# KiCad board hat_stern_de_sys11.kicad_pcb
title: afterglow 3.0 Pinbender Hat; date: 2024; rev: 1.1; company: bitfield labs
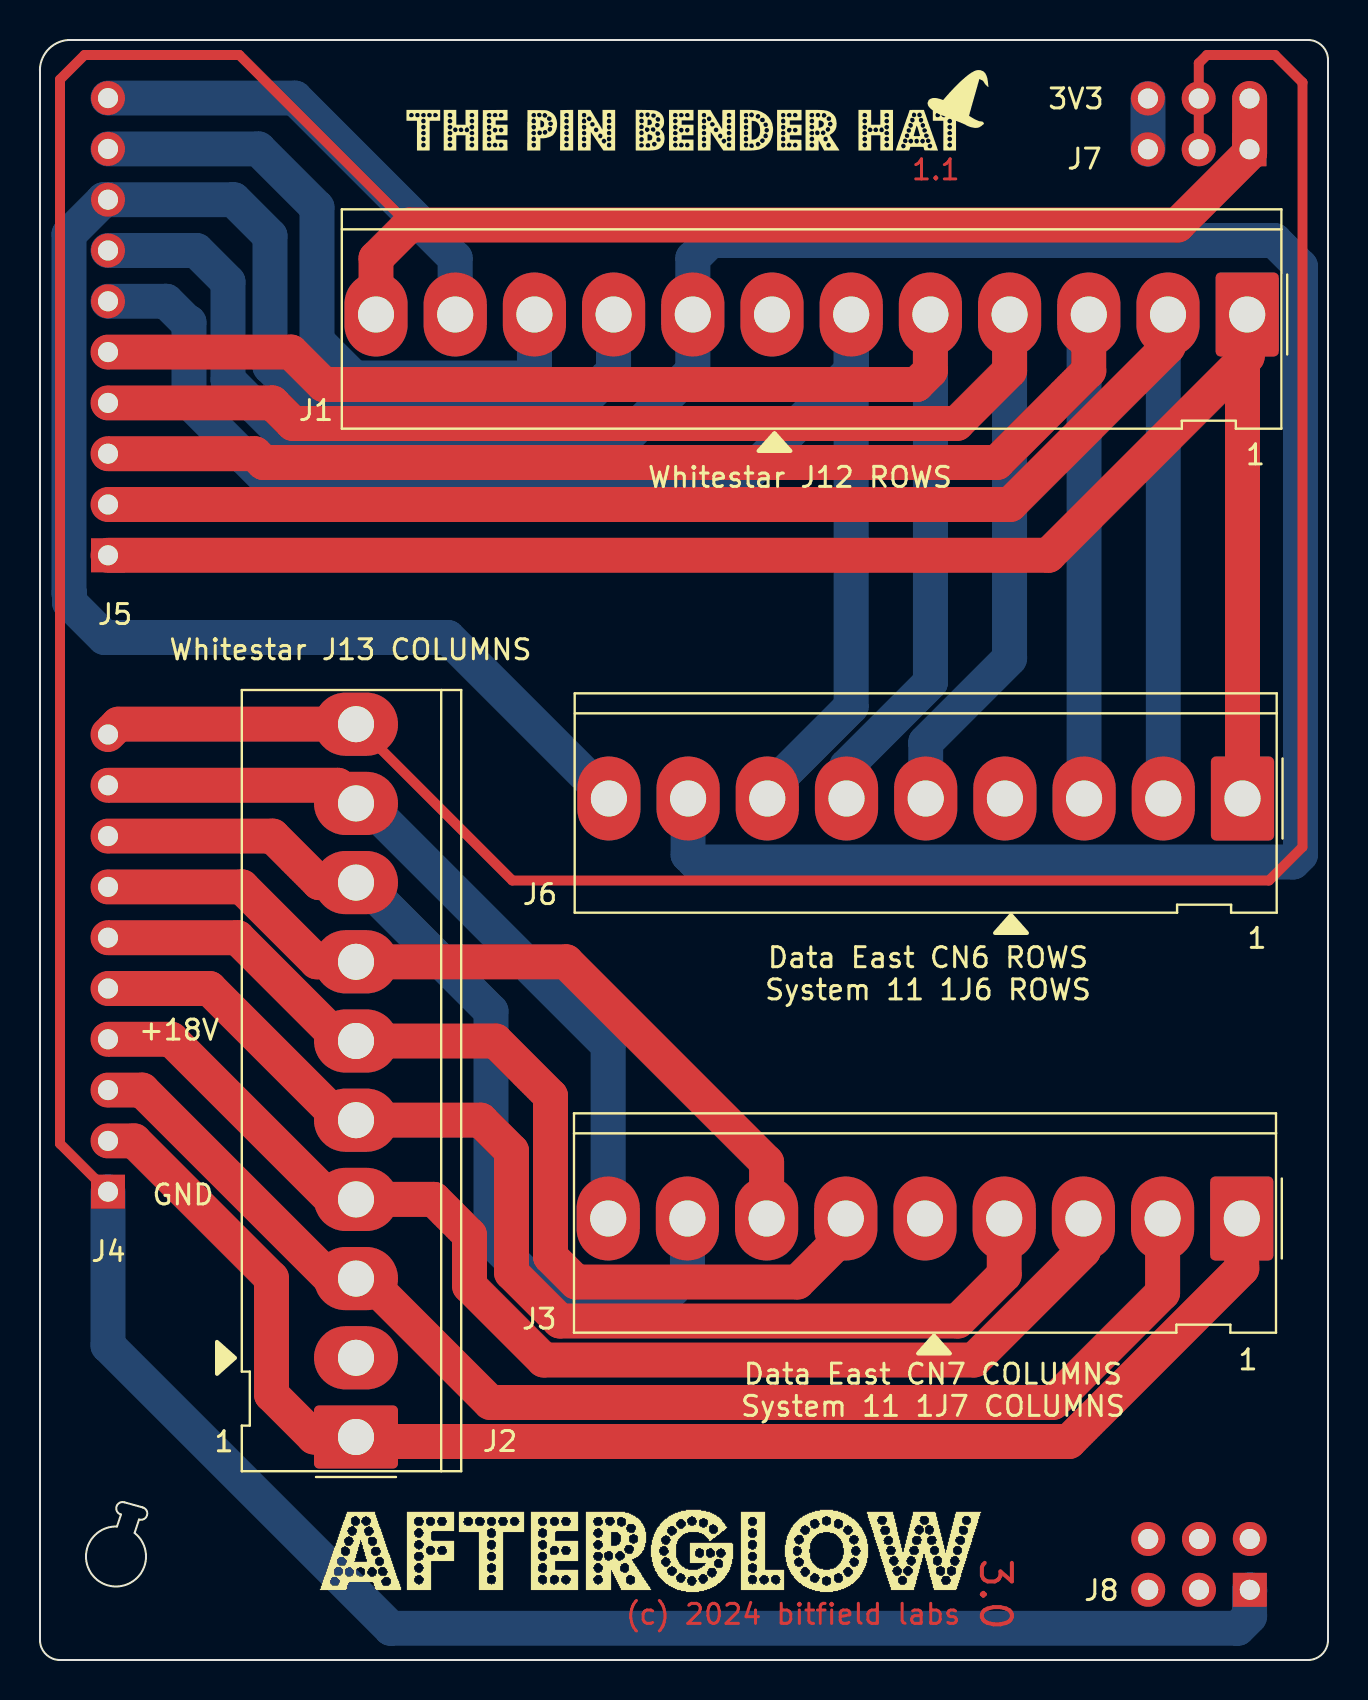
[diagram p0: board, top side]
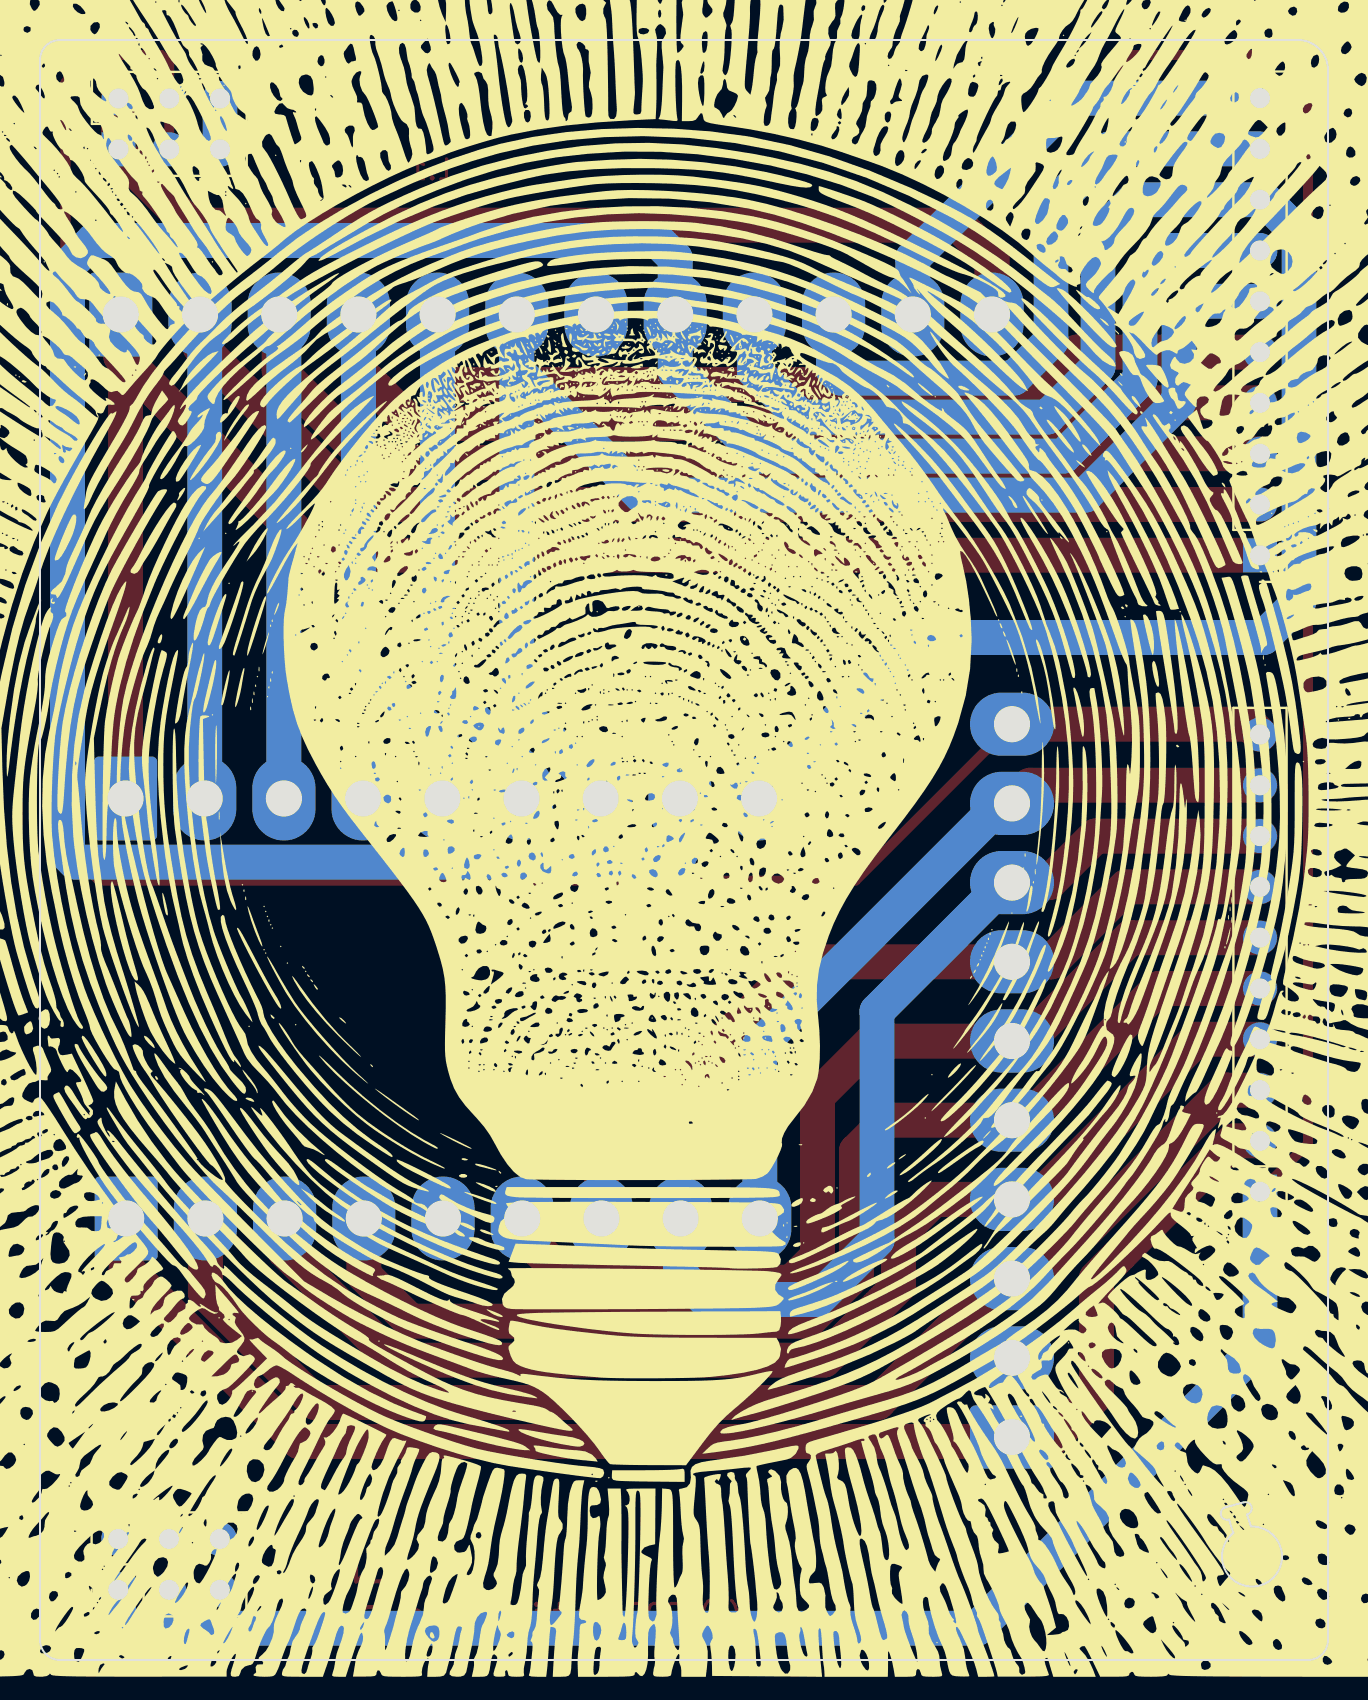
[diagram p1: board, bottom side, seen from below]

Outline 64.4 x 81 mm; copper layers: Top, Bottom. Coordinates in mm from the lower left corner of the outline.
Outline path: 4.95,7.03 4.73,6.35 arc(3.28,3.77) 3.85,6.68 4.05,7.28 arc(3.82,7.67) 4.23,7.88 5.13,7.63 arc(5.35,7.24) 4.95,7.03 ; 0,79.37 arc(0.37,80.48) 1.41,81 63.4,81 arc(64.11,80.71) 64.4,80 64.4,1 arc(64.11,0.29) 63.4,0 1,0 arc(0.29,0.29) 0,1 0,79.37
Stack: Top 0.035mm / dielectric 1.51mm FR4 er 4.5 / Bottom 0.035mm

## Placement (name value [footprint] x y rotation side)
afterglow  -  [afterglow]  14 7.5 0 top
G***  LOGO  [pin_bender_hat]  32.33 76.5 0 top
G***#2  LOGO  [hat]  46.18 78.31 338 top
G***#3  LOGO  [radiate]  35 41.8 180 bottom
J1  ROW OUT  [Molex_KK-396_5273-12A_1x12_P3.96mm_Vertical]  60.36 67.28 180 top
J2  COLUMN OUT  [Molex_KK-396_5273-10A_1x10_P3.96mm_Vertical]  15.8 11.15 90 top
J3  Conn_01x09_Pin  [Molex_KK-396_5273-09A_1x09_P3.96mm_Vertical]  60.09 22.08 180 top
J4  Conn_01x10_Pin  [PinHeader_1x10_P2.54mm_Vertical]  3.4 23.42 0 bottom
J5  Conn_01x10_Pin  [PinHeader_1x10_P2.54mm_Vertical]  3.4 55.24 0 bottom
J6  Conn_01x09_Pin  [Molex_KK-396_5273-09A_1x09_P3.96mm_Vertical]  60.12 43.08 180 top
J7  Conn_02x03_Odd_Even  [PinHeader_2x03_P2.54mm_Vertical]  60.47 75.54 90 bottom
J8  Conn_02x03_Odd_Even  [PinHeader_2x03_P2.54mm_Vertical]  60.49 3.51 90 bottom

## Library data of the parts
J1 = -: JLCPCB: C10589; ki_fp_filters: Connector*:*_1x??_*
J2 = -: JLCPCB: C10587; ki_fp_filters: Connector*:*_1x??_*
J3 J6 = -: Description: Generic connector, single row, 01x09, script generated; JLCPCB: C10586; ki_fp_filters: Connector*:*_1x??_*
J4 J5 = -: JLCPCB: C5156617; ki_fp_filters: Connector*:*_1x??_*
J7 J8 = -: JLCPCB: C18905882; ki_fp_filters: Connector*:*_2x??_*

## Footprints (pads in the part's own frame, mm; a bottom-side part is the same pattern mirrored in y, then rotated)
Molex_KK-396_5273-09A_1x09_P3.96mm_Vertical
  rrect 3.16x4.2 hole 1.8: 1(0,0)
  oval 3.16x4.2 hole 1.8: 2(3.96,0) 3(7.92,0) 4(11.88,0) 5(15.84,0) 6(19.8,0) 7(23.76,0) 8(27.72,0) 9(31.68,0)
Molex_KK-396_5273-10A_1x10_P3.96mm_Vertical
  rrect 3.16x4.2 hole 1.8: 1(0,0)
  oval 3.16x4.2 hole 1.8: 2(3.96,0) 3(7.92,0) 4(11.88,0) 5(15.84,0) 6(19.8,0) 7(23.76,0) 8(27.72,0) 9(31.68,0) 10(35.64,0)
Molex_KK-396_5273-12A_1x12_P3.96mm_Vertical
  rrect 3.16x4.2 hole 1.8: 1(0,0)
  oval 3.16x4.2 hole 1.8: 2(3.96,0) 3(7.92,0) 4(11.88,0) 5(15.84,0) 6(19.8,0) 7(23.76,0) 8(27.72,0) 9(31.68,0) 10(35.64,0) 11(39.6,0) 12(43.56,0)
PinHeader_1x10_P2.54mm_Vertical
  rect 1.7x1.7 hole 1: 1(0,0)
  oval 1.7x1.7 hole 1: 2(0,-2.54) 3(0,-5.08) 4(0,-7.62) 5(0,-10.16) 6(0,-12.7) 7(0,-15.24) 8(0,-17.78) 9(0,-20.32) 10(0,-22.86)
PinHeader_2x03_P2.54mm_Vertical
  rect 1.7x1.7 hole 1: 1(0,0)
  oval 1.7x1.7 hole 1: 2(2.54,0) 3(0,-2.54) 4(2.54,-2.54) 5(0,-5.08) 6(2.54,-5.08)

## Nets
/3V3: J7.5 J7.6
/18V: J2.10 J4.10 J7.3 J7.4
GND: J1.12 J4.1 J7.1 J7.2 J8.1
/D_SCL: J8.3
/D_SDA: J8.2
/MOS_CO1: J2.1 J3.1 J4.2
/MOS_CO2: J2.3 J3.2 J4.3
/MOS_CO3: J2.4 J3.3 J4.4
/MOS_CO4: J2.5 J3.4 J4.5
/MOS_CO5: J2.6 J3.6 J4.6
/MOS_CO6: J2.7 J3.7 J4.7
/MOS_CO7: J2.8 J3.8 J4.8
/MOS_CO8: J2.9 J3.9 J4.9
/MOS_RO1: J1.1 J5.1 J6.1
/MOS_RO2: J1.2 J5.2 J6.2
/MOS_RO3: J1.3 J5.3 J6.3
/MOS_RO4: J1.4 J5.4 J6.5
/MOS_RO5: J1.5 J5.5 J6.6
/MOS_RO6: J1.6 J5.6 J6.7
/MOS_RO7: J1.8 J5.7 J6.8
/MOS_RO8: J1.9 J5.8 J6.9
/MOS_RO9: J1.10 J5.9
/MOS_RO10: J1.11 J5.10
/OUT_CLK: J8.6
/OUT_DATA: J8.5
/OUT_LOAD: J8.4

Pads without a net: J1 7; J2 2; J3 5; J6 4

## Routing (per net, layer and track width the routed paths; a pad name or vN(x,y) marks a point on that pad's centre or on a via; arc(x,y) is an arc through that point)
/3V3: length 2.5
  Bottom w1.75: 55.4,78.08 55.4,75.54
/18V: length 112.3
  Top w0.5: 57.94,75.54 57.94,79.84 58.35,80.25 61.75,80.25 63.12,78.88 63.12,40.65 61.45,38.98 23.62,38.98 J2.10
  Top w1.75: J4.10 3.92,46.79 J2.10
GND: length 201.7
  Top w0.5: J4.1 1,25.82 1,79.03 2.23,80.25 9.97,80.25 18.47,71.75
  Top w1.75: J1.12 16.8,70.09 18.47,71.75 56.88,71.75 60.48,75.35 60.48,78.08
  Bottom w1.75: J4.1 3.4,15.73 17.54,1.59 59.89,1.59 60.48,2.18 60.48,3.5 J8.1
/MOS_CO1: length 72.4
  Top w1.75: J3.1 60.09,19.57 51.45,10.93 16.03,10.93 J2.1 13.7,11.15 11.58,13.28 11.58,19.09 4.71,25.96 J4.2
/MOS_CO2: length 65.2
  Top w1.75: J3.2 56.13,18.36 50.64,12.88 22.52,12.88 16.32,19.07 J2.3 14.53,19.07 5.11,28.5 J4.3
/MOS_CO3: length 60.8
  Top w1.75: J3.3 52.17,20.47 46.7,15 25.18,15 21.47,18.71 21.47,21.25 19.69,23.03 J2.4 14.57,23.03 6.57,31.04 J4.4
/MOS_CO4: length 59
  Top w1.75: J4.5 8.48,33.58 15.06,26.99 J2.5 22.03,26.99 23.58,25.45 23.58,19.37 25.99,16.95 45.9,16.95 48.21,19.27 J3.4
/MOS_CO5: length 50.5
  Top w1.75: J3.6 40.29,21.32 37.88,18.9 26.8,18.9 25.53,20.18 25.53,28.2 22.78,30.95 J2.6 15.04,30.95 9.88,36.12 J4.6
/MOS_CO6: length 41.4
  Top w1.75: J4.7 10.09,38.66 13.84,34.91 J2.7 26.31,34.91 36.33,24.89 J3.7
/MOS_CO7: length 48.6
  Top w1.75: J4.8 11.63,41.2 13.96,38.87 J2.8
  Bottom w1.75: J2.8 16.11,38.87 22.55,32.43 22.55,21 25.53,18.03 31.13,18.03 32.37,19.27 J3.8
/MOS_CO8: length 39.1
  Top w1.75: J2.9 14.9,43.74 J4.9
  Bottom w1.75: J3.9 28.41,30.74 16.32,42.83 J2.9
/MOS_RO1: length 87.5
  Top w1.75: J6.1 60.12,67.04 J1.1 60.36,65.18 50.42,55.24 J5.1
/MOS_RO2: length 82.2
  Top w1.75: J5.2 48.51,57.78 56.4,65.67 J1.2
  Bottom w1.75: J6.2 56.16,67.04 J1.2
/MOS_RO3: length 78.2
  Top w1.75: J5.3 10.73,60.32 11.18,59.88 47.85,59.88 52.44,64.47 J1.3
  Bottom w1.75: J6.3 52.21,67.04 J1.3
/MOS_RO4: length 75.3
  Top w1.75: J5.4 11.62,62.86 12.65,61.83 45.84,61.83 48.48,64.47 J1.4
  Bottom w1.75: J6.5 44.28,45.89 48.48,50.08 J1.4
/MOS_RO5: length 70.8
  Top w1.75: J5.5 12.56,65.4 14.18,63.78 43.83,63.78 44.52,64.47 J1.5
  Bottom w1.75: J1.5 44.52,48.88 40.33,44.68 J6.6
/MOS_RO6: length 74.8
  Bottom w1.75: J6.7 36.37,43.48 40.56,47.68 J1.6 40.56,64.47 34.35,58.25 12.12,58.25 7.45,62.93 7.45,66.88 7.38,66.88 6.32,67.94 J5.6
/MOS_RO7: length 138.2
  Bottom w1.75: J5.7 7.83,70.48 9.4,68.9 9.4,64.02 13.22,60.2 28.38,60.2 32.64,64.47 J1.8 32.64,70.09 33.53,70.98 61.72,70.98 63.03,69.67 63.03,40.28 62.65,39.9 32.77,39.9 32.41,40.27 J6.8
/MOS_RO8: length 89.5
  Bottom w1.75: J6.9 20.4,51.13 3.23,51.13 1.48,52.88 1.48,53.31 1.45,53.34 1.45,71.28 3.18,73.02 J5.8 9.69,73.02 11.5,71.2 11.5,64.68 14.03,62.15 26.37,62.15 28.68,64.47 J1.9
/MOS_RO9: length 32.9
  Bottom w1.75: J5.9 10.92,75.56 13.85,72.63 13.85,65.95 15.7,64.1 24.36,64.1 24.72,64.47 J1.10
/MOS_RO10: length 23.5
  Bottom w1.75: J1.11 20.76,70.09 12.75,78.1 J5.10

## Text on the board
Top: (c) 2024 bitfield labs | 1.1 | 3.0
F.Mask: (c) 2024 bitfield labs | 1.1 | 3.0
F.Silkscreen: +18V | GND | 1 | Whitestar J13 COLUMNS | Whitestar J12 ROWS | Data East CN6 ROWS / System 11 1J6 ROWS | Data East CN7 COLUMNS / System 11 1J7 COLUMNS | 3V3
